# KiCad board SONATA-ONE.kicad_pcb
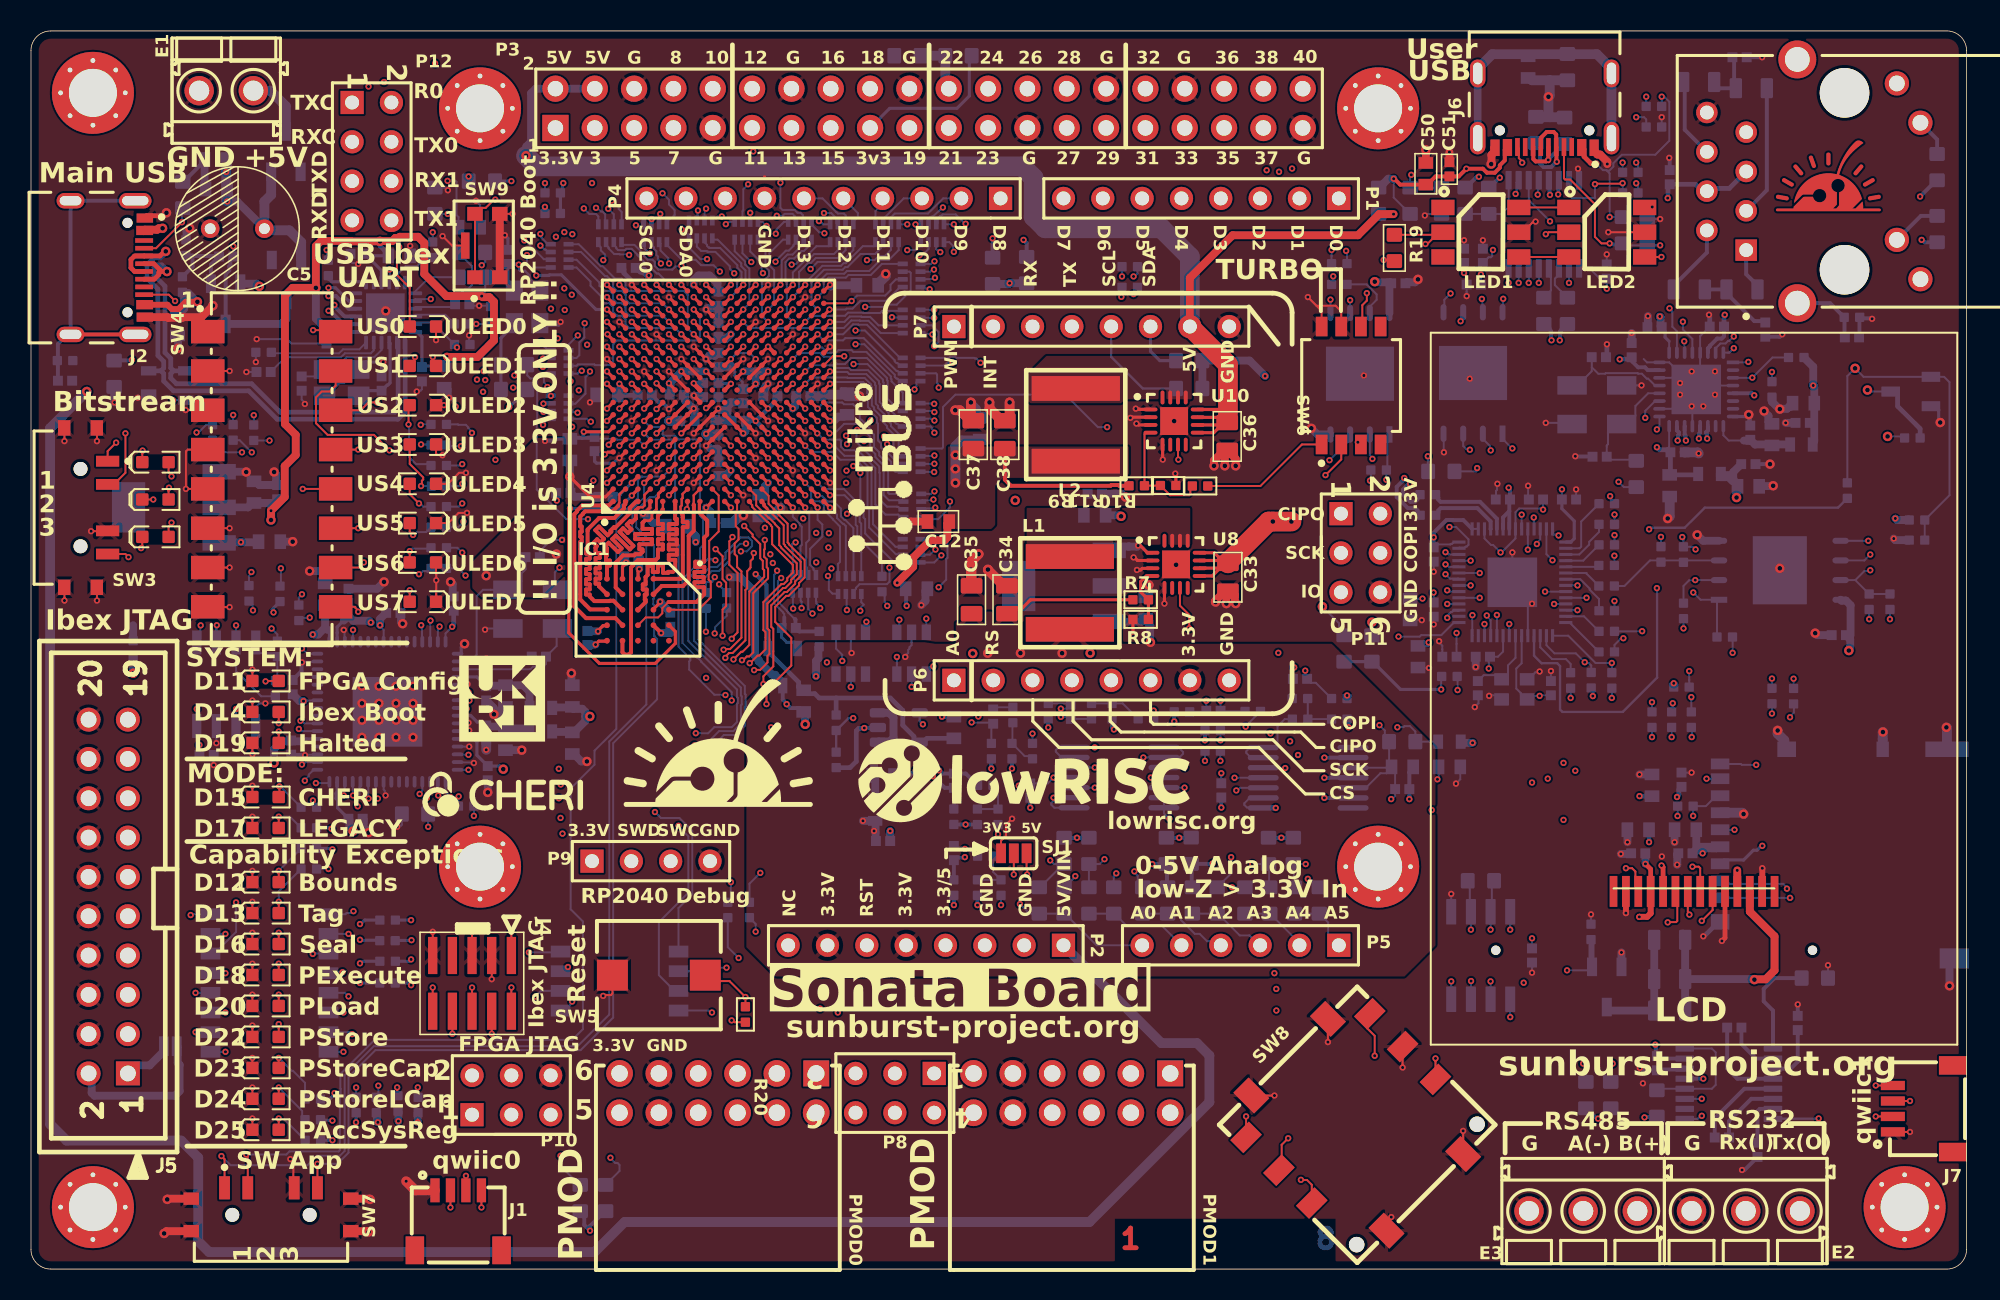
[diagram p0: board, top side]
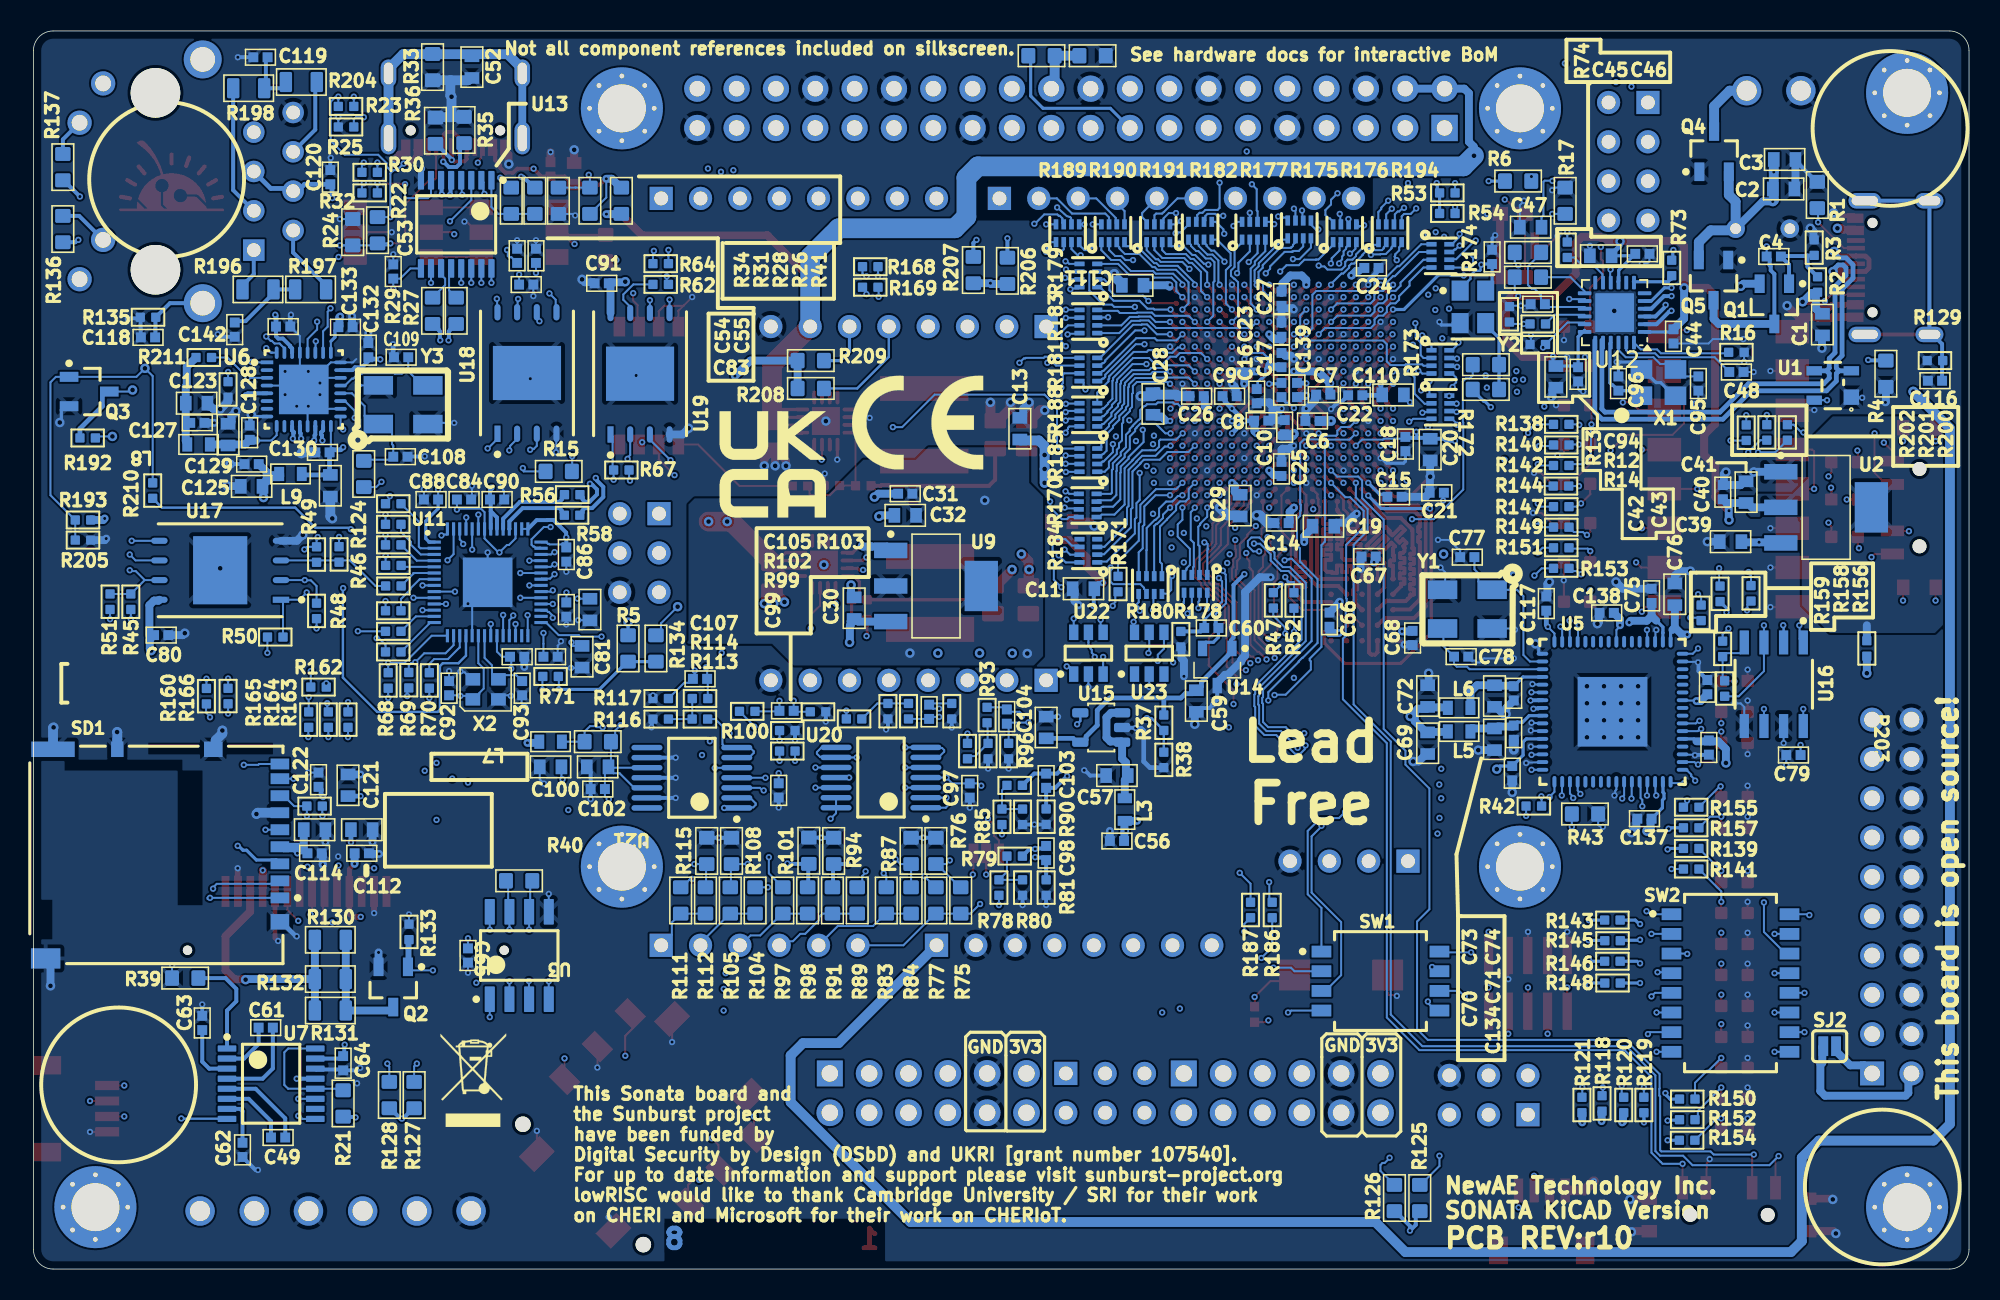
[diagram p1: board, bottom side, seen from below]

Outline 125 x 80 mm; copper layers: Top, In1.Cu, In2.Cu (plane), In3.Cu, In4.Cu, In5.Cu (plane), In6.Cu, Bottom. Coordinates in mm from the lower left corner of the outline.
Outline path: 0,78.73 arc(0.37,79.63) 1.27,80 123.73,80 arc(124.63,79.63) 125,78.73 125,1.27 arc(124.63,0.37) 123.73,0 1.27,0 arc(0.37,0.37) 0,1.27 0,78.73
Stack: Top 0.035mm / dielectric 0.1422mm PP-006 er 4.1 / In1.Cu 0.035mm / dielectric 0.2286mm Core-027 er 4.5 / In2.Cu 0.035mm / dielectric 0.1422mm PP-006 er 4.1 / In3.Cu 0.035mm / dielectric 0.2286mm Core-027 er 4.5 / In4.Cu 0.035mm / dielectric 0.1422mm PP-006 er 4.1 / In5.Cu 0.035mm / dielectric 0.2286mm Core-027 er 4.5 / In6.Cu 0.035mm / dielectric 0.1422mm PP-006 er 4.1 / Bottom 0.035mm

## Placement (name value [footprint] x y rotation side)
C1  2u2  [CAPC0603_M]  9.47 61.03 270 bottom
C2  2u2  [CAPC0603_M]  11.98 69.79 180 bottom
C3  2u2  [CAPC0603_M]  11.91 71.7 180 bottom
C4  100n  [CAPC0402_M]  12.61 65.43 180 bottom
C5  680uF  [Cap_16v_680uF]  15.07 67.22 180 top
C6  100n  [CAPC0402_M]  42.4 54.8 0 bottom
C7  100n  [CAPC0402_M]  41.7 56.5 0 bottom
C8  100n  [CAPC0402_M]  45.71 54.82 180 bottom
C9  100n  [CAPC0402_M]  47.75 56.4 180 bottom
C10  100n  [CAPC0402_M]  44.2 54.4 90 bottom
C11  2u2  [CAPC0603_M]  57.19 43.96 0 bottom
C12  2u2  [CAPC0603_M]  58.6 48.3 180 top
C13  2u2  [CAPC0603_M]  61.3 54.3 90 bottom
C14  100n  [CAPC0402_M]  44.4 48.2 0 bottom
C15  100n  [CAPC0402_M]  37.1 49.9 180 bottom
C16  100n  [CAPC0402_M]  46 56.4 270 bottom
C17  100n  [CAPC0402_M]  44.4 58.73 90 bottom
C18  100n  [CAPC0402_M]  36.4 53.31 270 bottom
C19  2u2  [CAPC0603_M]  41.69 48 180 bottom
C20  2u2  [CAPC0603_M]  34.8 52.95 270 bottom
C21  100n  [CAPC0402_M]  34.37 50.16 0 bottom
C22  100n  [CAPC0402_M]  39.64 56.46 0 bottom
C23  100n  [CAPC0402_M]  44.4 60.7 90 bottom
C24  100n  [CAPC0402_M]  38.59 64.69 180 bottom
C25  100n  [CAPC0402_M]  44.4 51.7 90 bottom
C26  100n  [CAPC0402_M]  49.88 56.4 0 bottom
C27  100n  [CAPC0402_M]  44.4 62.7 270 bottom
C28  2u2  [CAPC0603_M]  52.7 55.9 90 bottom
C29  2u2  [CAPC0603_M]  47.07 49.33 270 bottom
C30  2u2  [CAPC0603_M]  72 42.7 90 bottom
C31  100n  [CAPC0402_M]  68.7 50.1 0 bottom
C32  2u2  [CAPC0603_M]  68.7 48.7 0 bottom
C33  22uF  [CAPC0805_M]  77.3 44.7 270 top
C34  22uF  [CAPC0805_M]  63.03 43.25 90 top
C35  22uF  [CAPC0805_M]  60.74 43.25 90 top
C36  22uF  [CAPC0805_M]  77.25 53.8 270 top
C37  22uF  [CAPC0805_M]  60.86 53.92 90 top
C38  22uF  [CAPC0805_M]  62.89 53.92 90 top
C39  2u2  [CAPC0603_M]  15.4 47 0 bottom
C40  100n  [CAPC0402_M]  15.9 50.2 90 bottom
C41  2u2  [CAPC0603_M]  14.4 50.2 90 bottom
C42  1u  [CAPC0603_M]  26.68 57.65 270 bottom
C43  100n  [CAPC0402_M]  25.25 57.81 270 bottom
C44  100n  [CAPC0402_M]  19.09 60.27 270 bottom
C45  1u  [CAPC0603_M]  23.79 65.47 0 bottom
C46  100n  [CAPC0402_M]  21.1 65.6 180 bottom
C47  1u  [CAPC0603_M]  28.31 67.32 0 bottom
C48  100n  [CAPC0402_M]  15.02 57.96 180 bottom
C49  100n  [CAPC0402_M]  109.2 8.5 0 bottom
C50  2u2  [CAPC0603_M]  90.08 70.77 90 top
C51  100n  [CAPC0402_M]  91.6 71.06 90 top
C52  100n  [CAPC0603_M]  96.68 77.66 270 bottom
C53  100n  [CAPC0402_M]  101.76 64.46 90 bottom
C54  100n  [CAPC0402_M]  93.77 65.47 90 bottom
C55  100n  [CAPC0402_M]  92.55 65.47 90 bottom
C56  100n  [CAPC0402_M]  55.03 27.66 0 bottom
C57  1u  [CAPC0603_M]  55.03 31.89 0 bottom
C58  2u2  [CAPC0603_M]  59.6 34.99 90 bottom
C59  470n  [CAPC0603_M]  49.9 36.7 270 bottom
C60  100n  [CAPC0402_M]  48.93 41.42 0 bottom
C61  100n  [CAPC0402_M]  110 15.6 0 bottom
C62  100n  [CAPC0402_M]  111.5 7.7 270 bottom
C63  100n  [CAPC0402_M]  114.1 15.9 270 bottom
C64  100n  [CAPC0402_M]  105 13.3 90 bottom
C65  100n  [CAPC0402_M]  96.94 20.26 270 bottom
C66  100n  [CAPC0402_M]  41.3 41.96 90 bottom
C67  100n  [CAPC0402_M]  38.77 46.04 0 bottom
C68  100n  [CAPC0402_M]  35.93 40.78 270 bottom
C69  2u2  [CAPC0603_M]  34.96 33.98 270 bottom
C70  2u2  [CAPC0603_M]  30.64 34.23 270 bottom
C71  100n  [CAPC0402_M]  29.4 34.66 270 bottom
C72  2u2  [CAPC0603_M]  34.96 37.02 90 bottom
C73  2u2  [CAPC0603_M]  30.64 37.02 270 bottom
C74  100n  [CAPC0402_M]  29.4 37.2 270 bottom
C75  100n  [CAPC0402_M]  20.5 43.5 90 bottom
C76  2u2  [CAPC0603_M]  19 43.6 90 bottom
C77  18p  [CAPC0402_M]  32.4 46 0 bottom
C78  18p  [CAPC0402_M]  32.8 39.57 180 bottom
C79  100n  [CAPC0402_M]  11.34 33.21 0 bottom
C80  100n  [CAPC0402_M]  116.75 40.96 180 bottom
C81  1u  [CAPC0603_M]  89.57 39.56 270 bottom
C82  1u  [CAPC0603_M]  89.06 42.61 270 bottom
C83  100n  [CAPC0402_M]  93.18 63.61 180 bottom
C84  100n  [CAPC0402_M]  97.19 49.72 180 bottom
C85  100n  [CAPC0402_M]  93.76 39.56 180 bottom
C86  100n  [CAPC0402_M]  90.59 46.17 270 bottom
C87  100n  [CAPC0402_M]  91.6 39.56 180 bottom
C88  100n  [CAPC0402_M]  99.32 49.72 0 bottom
C89  100n  [CAPC0402_M]  90.59 42.61 270 bottom
C90  100n  [CAPC0402_M]  95.06 49.72 180 bottom
C91  100n  [CAPC0402_M]  88.3 63.69 0 bottom
C92  18p  [CAPC0402_M]  98.16 37.53 90 bottom
C93  18p  [CAPC0402_M]  93.44 37.53 270 bottom
C94  100n  [CAPC0402_M]  27.85 62.34 0 bottom
C95  18p  [CAPC0402_M]  17.48 57.22 270 bottom
C96  18p  [CAPC0402_M]  22.64 57.22 90 bottom
C97  100n  [CAPC0402_M]  64.53 30.92 270 bottom
C98  24p  [CAPC0402_M]  59.6 26.88 270 bottom
C99  100n  [CAPC0402_M]  76.87 30.93 270 bottom
C100  2u2  [CAPC0603_M]  91.6 32.45 0 bottom
C101  2u2  [CAPC0603_M]  88.56 32.45 0 bottom
C102  100n  [CAPC0402_M]  88.56 31.01 0 bottom
C103  24p  [CAPC0402_M]  59.6 31.55 270 bottom
C104  24p  [CAPC0402_M]  62.14 35.7 270 bottom
C105  24p  [CAPC0402_M]  76.36 36.07 180 bottom
C106  24p  [CAPC0402_M]  67.16 36.01 90 bottom
C107  24p  [CAPC0402_M]  81.95 38.14 0 bottom
C108  18p  [CAPC0402_M]  101.3 52.49 180 bottom
C109  18p  [CAPC0402_M]  101.26 58.92 0 bottom
C110  2u2  [CAPC0603_M]  37.2 56.48 180 bottom
C111  2u2  [CAPC0603_M]  54.01 63.57 0 bottom
C112  100n  [CAPC0402_M]  103.8 26.86 180 bottom
C113  2u2  [CAPC0603_M]  103.8 28.39 180 bottom
C114  100n  [CAPC0402_M]  106.84 26.86 180 bottom
C115  2u2  [CAPC0603_M]  106.84 28.39 180 bottom
C116  100n  [CAPC0402_M]  2.2 57.4 0 bottom
C117  100n  [CAPC0402_M]  27.3 43 90 bottom
C118  100n  [CAPC0402_M]  117.6 60.2 0 bottom
C119  100n  [CAPC0402_M]  110.34 78.3 180 bottom
C120  100n  [CAPC0402_M]  105.83 70.55 90 bottom
C121  2u2  [CAPC0603_M]  104.69 31.26 90 bottom
C122  100n  [CAPC0402_M]  106.59 31.62 90 bottom
C123  2u2  [CAPC0603_M]  114.46 55.95 180 bottom
C124  2u2  [CAPC0603_M]  112.43 53.92 90 bottom
C125  2u2  [CAPC0603_M]  110.91 50.58 0 bottom
C126  2u2  [CAPC0603_M]  105.83 50.61 270 bottom
C127  100n  [CAPC0402_M]  114.42 54.68 180 bottom
C128  100n  [CAPC0402_M]  111.04 54.04 90 bottom
C129  100n  [CAPC0402_M]  110.91 52.01 0 bottom
C130  100n  [CAPC0402_M]  106.34 52.77 0 bottom
C131  100n  [CAPC0402_M]  108.88 60.9 180 bottom
C132  100n  [CAPC0402_M]  103.37 59.37 90 bottom
C133  100n  [CAPC0402_M]  104.85 60.86 180 bottom
C134  100n  [CAPC0402_M]  29.5 32.04 270 bottom
C135  100n  [CAPC0402_M]  16.8 33.7 270 bottom
C136  100n  [CAPC0402_M]  16.9 37.6 90 bottom
C137  100n  [CAPC0402_M]  20.96 29.1 0 bottom
C138  100n  [CAPC0402_M]  23.4 42.4 0 bottom
C139  100n  [CAPC0402_M]  43.4 56.8 270 bottom
C140  100n  [CAPC0402_M]  44.4 56.8 270 bottom
C141  100n  [CAPC0402_M]  30.8 65.4 90 bottom
C142  100n  [CAPC0402_M]  112 60.7 90 bottom
D3  LED, 0603, Blue  [LED-0603-BLUE]  25.31 60.9 0 top
D4  LED, 0603, Green  [LED-0603-GREEN]  25.31 58.36 0 top
D5  LED, 0603, Red  [LED-0603-RED]  25.31 55.82 0 top
D6  LED, 0603, Blue  [LED-0603-BLUE]  25.31 53.28 0 top
D7  LED, 0603, Green  [LED-0603-GREEN]  25.31 50.74 0 top
D8  LED, 0603, Red  [LED-0603-RED]  25.31 48.2 0 top
D9  LED, 0603, Green  [LED-0603-GREEN]  25.31 45.66 0 top
D10  LED, 0603, Red  [LED-0603-RED]  25.31 43.12 0 top
D11  LED, 0603, Green  [LED-0603-GREEN]  15.15 38 180 top
D12  LED, 0603, Red  [LED-0603-RED]  15.15 25 180 top
D13  LED, 0603, Red  [LED-0603-RED]  15.15 23 180 top
D14  LED, 0603, Green  [LED-0603-GREEN]  15.15 36 180 top
D15  LED, 0603, Green  [LED-0603-GREEN]  15.15 30.5 180 top
D16  LED, 0603, Red  [LED-0603-RED]  15.15 21 180 top
D17  LED, 0603, Red  [LED-0603-RED]  15.15 28.5 180 top
D18  LED, 0603, Red  [LED-0603-RED]  15.15 19 180 top
D19  LED, 0603, Red  [LED-0603-RED]  15.15 34 180 top
D20  LED, 0603, Red  [LED-0603-RED]  15.15 17 180 top
D22  LED, 0603, Red  [LED-0603-RED]  15.15 15 180 top
D23  LED, 0603, Red  [LED-0603-RED]  15.15 13 180 top
D24  LED, 0603, Red  [LED-0603-RED]  15.15 11 180 top
D25  LED, 0603, Red  [LED-0603-RED]  15.15 9 180 top
D26  LED, 0603, Green  [LED-0603-GREEN]  8.04 52.14 180 top
D27  LED, 0603, Green  [LED-0603-GREEN]  8.04 49.72 180 top
D28  LED, 0603, Green  [LED-0603-GREEN]  8.04 47.31 180 top
E1  1912320000  [PS_3_5_90_02]  12.61 76.14 180 top
E2  1912330000  [PS_3_5_90_03]  110.74 3.75 0 top
E3  1912330000  [PS_3_5_90_03]  100.24 3.75 0 top
IC1  W956D8MBYA5I  [BGA24C100P5X5_600X800X120]  39.2 42.6 270 top
J1  SM04B-SRSS-TB_LF__SN_  [SM04B-SRSS-TB(LFSN)]  24.59 0.42 0 top
J2  USB4105-GF-A  [FP-USB4105-GF-A-MFG]  3.72 64.71 270 top
J3  J00-0045NL  [FP-J00-0045NL-MFG]  117.11 70.29 270 top
J4  10 Pin Cortex Program & Debug  [0.5mm_SMD_Header_5x2]  31.03 20.26 270 top
J5  PN  [CONN_10x2_SHROUDED_2.54mm]  6.26 12.64 90 top
J6  USB4105-GF-A  [FP-USB4105-GF-A-MFG]  97.75 76.09 180 top
J7  SM04B-SRSS-TB_LF__SN_  [SM04B-SRSS-TB(LFSN)]  124.9 7.36 90 top
L1  4.7uH  [NR6028]  67.09 43.69 270 top
L2  4.7uH  [NR6028]  67.47 54.55 270 top
L3  600-Ohm/0.5A  [IND_0603]  54.52 29.69 90 bottom
L5  1k @ 1Mhz  [IND_0603]  32.93 34.74 180 bottom
L6  1k @ 1Mhz  [IND_0603]  32.93 36.26 180 bottom
L7  1k @ 1Mhz  [IND_0603]  91.6 34.08 180 bottom
L8  1k @ 1Mhz  [IND_0603]  114.34 53.28 180 bottom
L9  1k @ 1Mhz  [IND_0603]  108.4 51.38 180 bottom
LCD1  1.8" LCD, Solder on Connector  [ADAFRUIT618]  90.4 14.5 90 bottom
LED1  WS2813B, 5x5  [WS2813B_5x5]  93.64 67 0 top
LED2  WS2813B, 5x5  [WS2813B_5x5]  101.76 67 0 top
MH1  M3, Tight Fit  [MOUNT_M3_TIGHT]  87 26 0 top
MH2  M3, Tight Fit  [MOUNT_M3_TIGHT]  29 26 0 top
MH3  M3, Tight Fit  [MOUNT_M3_TIGHT]  29 75 0 top
MH4  M3, Tight Fit  [MOUNT_M3_TIGHT]  87 75 0 top
MH5  M3, Tight Fit  [MOUNT_M3_TIGHT]  4 4 0 top
MH6  M3, Tight Fit  [MOUNT_M3_TIGHT]  121 4 0 top
MH7  M3, Tight Fit  [MOUNT_M3_TIGHT]  4 76 0 top
P1  Header 8  [HDR1X8_SLW-108-01-T-S]  84.46 69.18 180 top
P2  Header 8  [HDR1X8_SLW-108-01-T-S]  66.68 20.92 180 top
P3  Header 20X2  [HDR2X20_861400402YO2LF]  33.87 73.73 0 top
P4  Header 10  [HDR1X10_SLW-110-01-T-S]  62.62 69.18 180 top
P5  Header 6  [HDR1X6_SLW-106-01-T-S]  84.46 20.92 180 top
P6  Header 8  [HDR1X8_SLW-108-01-T-S]  59.6 38.04 0 top
P7  Header 8  [HDR1X8_SLW-108-01-T-S]  59.6 60.9 0 top
P8  Header 3X2A  [HDR2X3_CEN]  58.33 12.64 180 top
P9  Header 4  [HDR1X4]  36.23 26.36 0 top
P10  Header 3X2  [HDR2X3]  28.48 9.97 0 top
P11  Header 3X2  [HDR2X3_XG8T-0641]  84.6 48.81 270 top
P12  Header 4X2  [HDR2X4_XG8T-0841]  20.74 75.38 270 top
PMOD0  PMOD, 12-pin, RA, Through-Hole  [SAMTEC_SSW_106_02_X_D_RA_PMOD]  50.71 12.64 270 top
PMOD1  PMOD, 12-pin, RA, Through-Hole  [SAMTEC_SSW_106_02_X_D_RA_PMOD]  73.57 12.64 270 top
Q1  DMP2123LQ-7  [SOT95P245X110-3M]  12.57 62.37 270 bottom
Q2  DMN3200U-7  [SOT95P245X110-3M]  101.76 18.23 270 bottom
Q3  BSS138  [SOT95P245X110-3M]  121.4 56.7 180 bottom
Q4  DMP2123LQ-7  [SOT95P245X110-3M]  16.46 72.2 90 bottom
Q5  DMP2123LQ-7  [SOT95P245X110-3M]  16.5 63.9 270 bottom
R1  5k1  [RESC1608X55N]  9.8 69.4 90 bottom
R2  100k  [RESC1005X40N]  9.78 63.62 90 bottom
R3  10k  [RESC1005X40N]  10 66 90 bottom
R4  5k1  [RESC1608X55N]  5.37 57.85 270 bottom
R5  1k  [RESC1608X55N]  86.6 40.1 90 bottom
R6  1k  [RESC1608X55N]  29.12 70.3 0 bottom
R7  10k  [RESC1005X40N]  71.67 43.25 0 top
R8  2k2  [RESC1005X40N]  71.67 41.98 180 top
R9  10k  [RESC1005X40N]  71.41 50.61 0 top
R10  100k  [RESC1005X40N]  75.5 50.6 0 top
R11  15k  [RESC1005X40N]  73.44 50.63 0 top
R12  100k  [RESC1005X40N]  27.85 61.07 0 bottom
R13  100k  [RESC1005X40N]  29.68 61.69 90 bottom
R14  10k  [RESC1005X40N]  27.85 59.74 0 bottom
R15  100k  [RESC1608X55N]  91.08 51.54 180 bottom
R16  12k  [RESC1005X40N]  15.02 59.24 180 bottom
R17  100k  [RESC1608X55N]  26.08 69.03 270 bottom
R18  100k  [RESC1608X55N]  28.49 64.09 180 bottom
R19  0R  [RESC1608X55N]  88.05 65.98 270 top
R20  10k  [RESC1005X40N]  46.14 16.45 90 top
R21  1k  [RESC1608X55N]  105 10.7 270 bottom
R22  DNM RCHIP  [RESC1608X55N]  102.78 67.12 270 bottom
R23  47k  [RESC1005X40N]  104.81 75.12 180 bottom
R24  DNM RCHIP  [RESC1608X55N]  104.38 67 90 bottom
R25  22k  [RESC1005X40N]  104.81 73.8 0 bottom
R26  DNM RCHIP  [RESC1608X55N]  89.06 69.03 90 bottom
R27  33R  [RESC1608X55N]  97.7 61.92 90 bottom
R28  DNM RCHIP  [RESC1608X55N]  91.1 69.03 270 bottom
R29  33R  [RESC1608X55N]  99.22 61.92 90 bottom
R30  10k  [RESC1005X40N]  103.29 70.86 0 bottom
R31  1k5  [RESC1608X55N]  92.62 69.03 270 bottom
R32  10k  [RESC1005X40N]  103.29 69.54 0 bottom
R33  10R  [RESC1608X55N]  99.22 77.66 270 bottom
R34  DNM RCHIP  [RESC1608X55N]  94.14 69.03 270 bottom
R35  DNM RCHIP  [RESC1608X55N]  97.19 73.6 270 bottom
R36  DNM RCHIP  [RESC1608X55N]  99.04 73.55 270 bottom
R37  2k7  [RESC1005X40N]  52 35.3 270 bottom
R38  1k  [RESC1005X40N]  52 32.9 270 bottom
R39  1k  [RESC1608X55N]  115.2 18.8 0 bottom
R40  120R  [RESC1608X55N]  93.64 25.09 180 bottom
R41  DNM RCHIP  [RESC1608X55N]  87.03 69.03 270 bottom
R42  1k  [RESC1005X40N]  28.1 29.91 0 bottom
R43  12k  [RESC1608X55N]  24.8 29.4 180 bottom
R44  2k2  [RESC1005X40N]  15.78 37.51 90 bottom
R45  10k  [RESC1005X40N]  118.71 43.12 90 bottom
R46  10k  [RESC1005X40N]  105.26 46.18 270 bottom
R47  22R  [RESC1005X40N]  44.93 43.21 270 bottom
R48  22R  [RESC1005X40N]  106.72 42.53 90 bottom
R49  22R  [RESC1005X40N]  106.72 46.17 270 bottom
R50  22R  [RESC1005X40N]  109.38 40.84 0 bottom
R51  22R  [RESC1005X40N]  120.05 43.12 90 bottom
R52  22R  [RESC1005X40N]  43.6 43.2 90 bottom
R53  1k  [RESC1005X40N]  33.69 69.54 180 bottom
R54  10k  [RESC1005X40N]  33.69 68.21 0 bottom
R55  22R  [RESC1005X40N]  101.76 49.45 180 bottom
R56  27R  [RESC1005X40N]  90.21 50.04 0 bottom
R57  22R  [RESC1005X40N]  101.76 48.12 180 bottom
R58  27R  [RESC1005X40N]  90.22 48.71 0 bottom
R59  22R  [RESC1005X40N]  101.76 46.79 180 bottom
R60  22R  [RESC1005X40N]  101.76 45.46 180 bottom
R61  22R  [RESC1005X40N]  101.76 44.14 180 bottom
R62  10k  [RESC1005X40N]  84.49 63.62 0 bottom
R63  22R  [RESC1005X40N]  101.76 42.53 180 bottom
R64  10k  [RESC1005X40N]  84.49 64.96 0 bottom
R65  22R  [RESC1005X40N]  101.76 41.21 180 bottom
R66  22R  [RESC1005X40N]  101.76 39.88 180 bottom
R67  10k  [RESC1005X40N]  87.03 51.63 180 bottom
R68  22R  [RESC1005X40N]  102.09 38.03 90 bottom
R69  22R  [RESC1005X40N]  100.76 38.05 90 bottom
R70  22R  [RESC1005X40N]  99.43 38.03 90 bottom
R71  10k  [RESC1005X40N]  91.6 38.29 180 bottom
R72  100k  [RESC1608X55N]  28.48 65.69 0 bottom
R73  DNM  [RESC1005X40N]  19.2 64.69 90 bottom
R74  DNM  [RESC1005X40N]  25.95 65.86 90 bottom
R75  100k  [RESC1608X55N]  65.12 23.82 90 bottom
R76  150k  [RESC1608X55N]  66.72 27.02 270 bottom
R77  1k  [RESC1608X55N]  66.72 23.82 90 bottom
R78  2k  [RESC1005X40N]  62.65 24.65 90 bottom
R79  180R  [RESC1005X40N]  61.63 26.68 180 bottom
R80  1k  [RESC1005X40N]  61.12 24.65 270 bottom
R81  845R  [RESC1005X40N]  59.6 24.65 90 bottom
R82  10R  [RESC1608X55N]  88.56 34.08 180 bottom
R83  1k  [RESC1608X55N]  69.92 23.82 90 bottom
R84  100k  [RESC1608X55N]  68.32 23.82 90 bottom
R85  2k  [RESC1005X40N]  62.45 29.22 90 bottom
R86  180R  [RESC1005X40N]  61.63 31.25 180 bottom
R87  150k  [RESC1608X55N]  68.32 27.02 270 bottom
R88  1k  [RESC1005X40N]  61.12 29.22 270 bottom
R89  1k  [RESC1608X55N]  71.8 23.82 90 bottom
R90  845R  [RESC1005X40N]  59.6 29.23 90 bottom
R91  100k  [RESC1608X55N]  73.4 23.82 90 bottom
R92  2k  [RESC1005X40N]  64.68 33.47 270 bottom
R93  180R  [RESC1005X40N]  63.41 35.8 90 bottom
R94  150k  [RESC1608X55N]  73.32 27.02 270 bottom
R95  1k  [RESC1005X40N]  63.35 33.47 270 bottom
R96  845R  [RESC1005X40N]  62.02 33.47 90 bottom
R97  1k  [RESC1608X55N]  76.61 23.82 90 bottom
R98  100k  [RESC1608X55N]  75 23.82 90 bottom
R99  2k  [RESC1005X40N]  76.32 33.47 0 bottom
R100  180R  [RESC1005X40N]  78.9 36.04 180 bottom
R101  150k  [RESC1608X55N]  74.93 27.03 270 bottom
R102  1k  [RESC1005X40N]  76.32 34.8 180 bottom
R103  845R  [RESC1005X40N]  74.33 36.01 0 bottom
R104  1k  [RESC1608X55N]  78.4 23.82 90 bottom
R105  100k  [RESC1608X55N]  80 23.82 90 bottom
R106  2k  [RESC1005X40N]  72 35.55 180 bottom
R107  180R  [RESC1005X40N]  68.49 36.05 270 bottom
R108  150k  [RESC1608X55N]  79.92 27.02 270 bottom
R109  1k  [RESC1005X40N]  69.82 36.05 270 bottom
R110  845R  [RESC1005X40N]  65.7 36.05 90 bottom
R111  1k  [RESC1608X55N]  83.2 23.82 90 bottom
R112  100k  [RESC1608X55N]  81.6 23.82 90 bottom
R113  2k  [RESC1005X40N]  81.96 35.54 0 bottom
R114  180R  [RESC1005X40N]  81.95 36.86 180 bottom
R115  150k  [RESC1608X55N]  81.52 27.02 270 bottom
R116  1k  [RESC1005X40N]  84.49 35.54 0 bottom
R117  845R  [RESC1005X40N]  84.49 36.86 180 bottom
R118  100k  [RESC1005X40N]  23.7 10.7 90 bottom
R119  100k  [RESC1005X40N]  21 10.6 90 bottom
R120  100k  [RESC1005X40N]  22.3 10.6 90 bottom
R121  100k  [RESC1005X40N]  25 10.6 90 bottom
R122  0R  [RESC1608X55N]  31.2 56.83 0 bottom
R123  0R  [RESC1608X55N]  31.2 58.44 0 bottom
R124  0R  [RESC1608X55N]  103.67 51.38 90 bottom
R125  2k2  [RESC1608X55N]  35.47 4.59 90 bottom
R126  2k2  [RESC1608X55N]  37.11 4.59 90 bottom
R127  2k2  [RESC1608X55N]  100.42 11.24 90 bottom
R128  2k2  [RESC1608X55N]  102.02 11.24 90 bottom
R129  2k7  [RESC1005X40N]  2.2 58.7 0 bottom
R130  75R  [RESC2012X70N]  105.83 21.28 180 bottom
R131  75R  [RESC2012X70N]  105.83 16.7 180 bottom
R132  75R  [RESC2012X70N]  105.83 18.74 180 bottom
R133  10k  [RESC1005X40N]  100.75 21.78 90 bottom
R134  1k  [RESC1608X55N]  84.8 40.1 90 bottom
R135  100k  [RESC1005X40N]  117.6 61.5 0 bottom
R136  1k  [RESC1608X55N]  123.1 67.2 90 bottom
R137  1k  [RESC1608X55N]  123.1 71.2 90 bottom
R138  1k  [RESC1005X40N]  26.33 54.58 180 bottom
R139  1k  [RESC1005X40N]  17.94 27.18 180 bottom
R140  1k  [RESC1005X40N]  26.33 53.25 180 bottom
R141  1k  [RESC1005X40N]  17.94 25.85 180 bottom
R142  1k  [RESC1005X40N]  26.33 51.92 180 bottom
R143  1k  [RESC1005X40N]  23.03 22.55 180 bottom
R144  1k  [RESC1005X40N]  26.35 50.59 180 bottom
R145  1k  [RESC1005X40N]  23.02 21.22 180 bottom
R146  1k  [RESC1005X40N]  23.03 19.89 180 bottom
R147  1k  [RESC1005X40N]  26.33 49.26 180 bottom
R148  1k  [RESC1005X40N]  23.02 18.48 180 bottom
R149  1k  [RESC1005X40N]  26.33 47.93 180 bottom
R150  1k  [RESC1005X40N]  18.2 10.98 180 bottom
R151  1k  [RESC1005X40N]  26.33 46.61 180 bottom
R152  1k  [RESC1005X40N]  18.2 9.65 180 bottom
R153  1k  [RESC1005X40N]  26.33 45.28 0 bottom
R154  1k  [RESC1005X40N]  18.21 8.32 180 bottom
R155  1k  [RESC1005X40N]  17.94 29.84 180 bottom
R156  1k  [RESC1005X40N]  14.08 43.66 90 bottom
R157  1k  [RESC1005X40N]  17.94 28.51 180 bottom
R158  1k  [RESC1005X40N]  16.08 43.63 90 bottom
R159  1k  [RESC1005X40N]  17.3 42.4 270 bottom
R160  10k  [RESC1005X40N]  113.83 37.02 90 bottom
R161  10k  [RESC1005X40N]  106.84 29.91 180 bottom
R162  10k  [RESC1005X40N]  106.59 37.6 180 bottom
R163  10k  [RESC1005X40N]  104.69 35.5 270 bottom
R164  10k  [RESC1005X40N]  105.95 35.5 270 bottom
R165  10k  [RESC1005X40N]  107.23 35.5 270 bottom
R166  10k  [RESC1005X40N]  112.43 37.02 90 bottom
R167  3.01k  [RESC1005X40N]  112.43 56.84 90 bottom
R168  22R  [RESC1005X40N]  70.96 64.77 0 bottom
R169  22R  [RESC1005X40N]  70.96 63.44 0 bottom
R170  33R  [741C083]  56.34 48.59 90 bottom